# Altium PCB BG_Pcb.PcbDoc
Units mm, origin at the board's own origin, x right, y up, seen from the top; angles counter-clockwise.
Board outline 46.69 x 58.22 mm, 2 copper layers (Top Layer, Bottom Layer); 23 components, 40 nets, 117 pads, 0 vias.
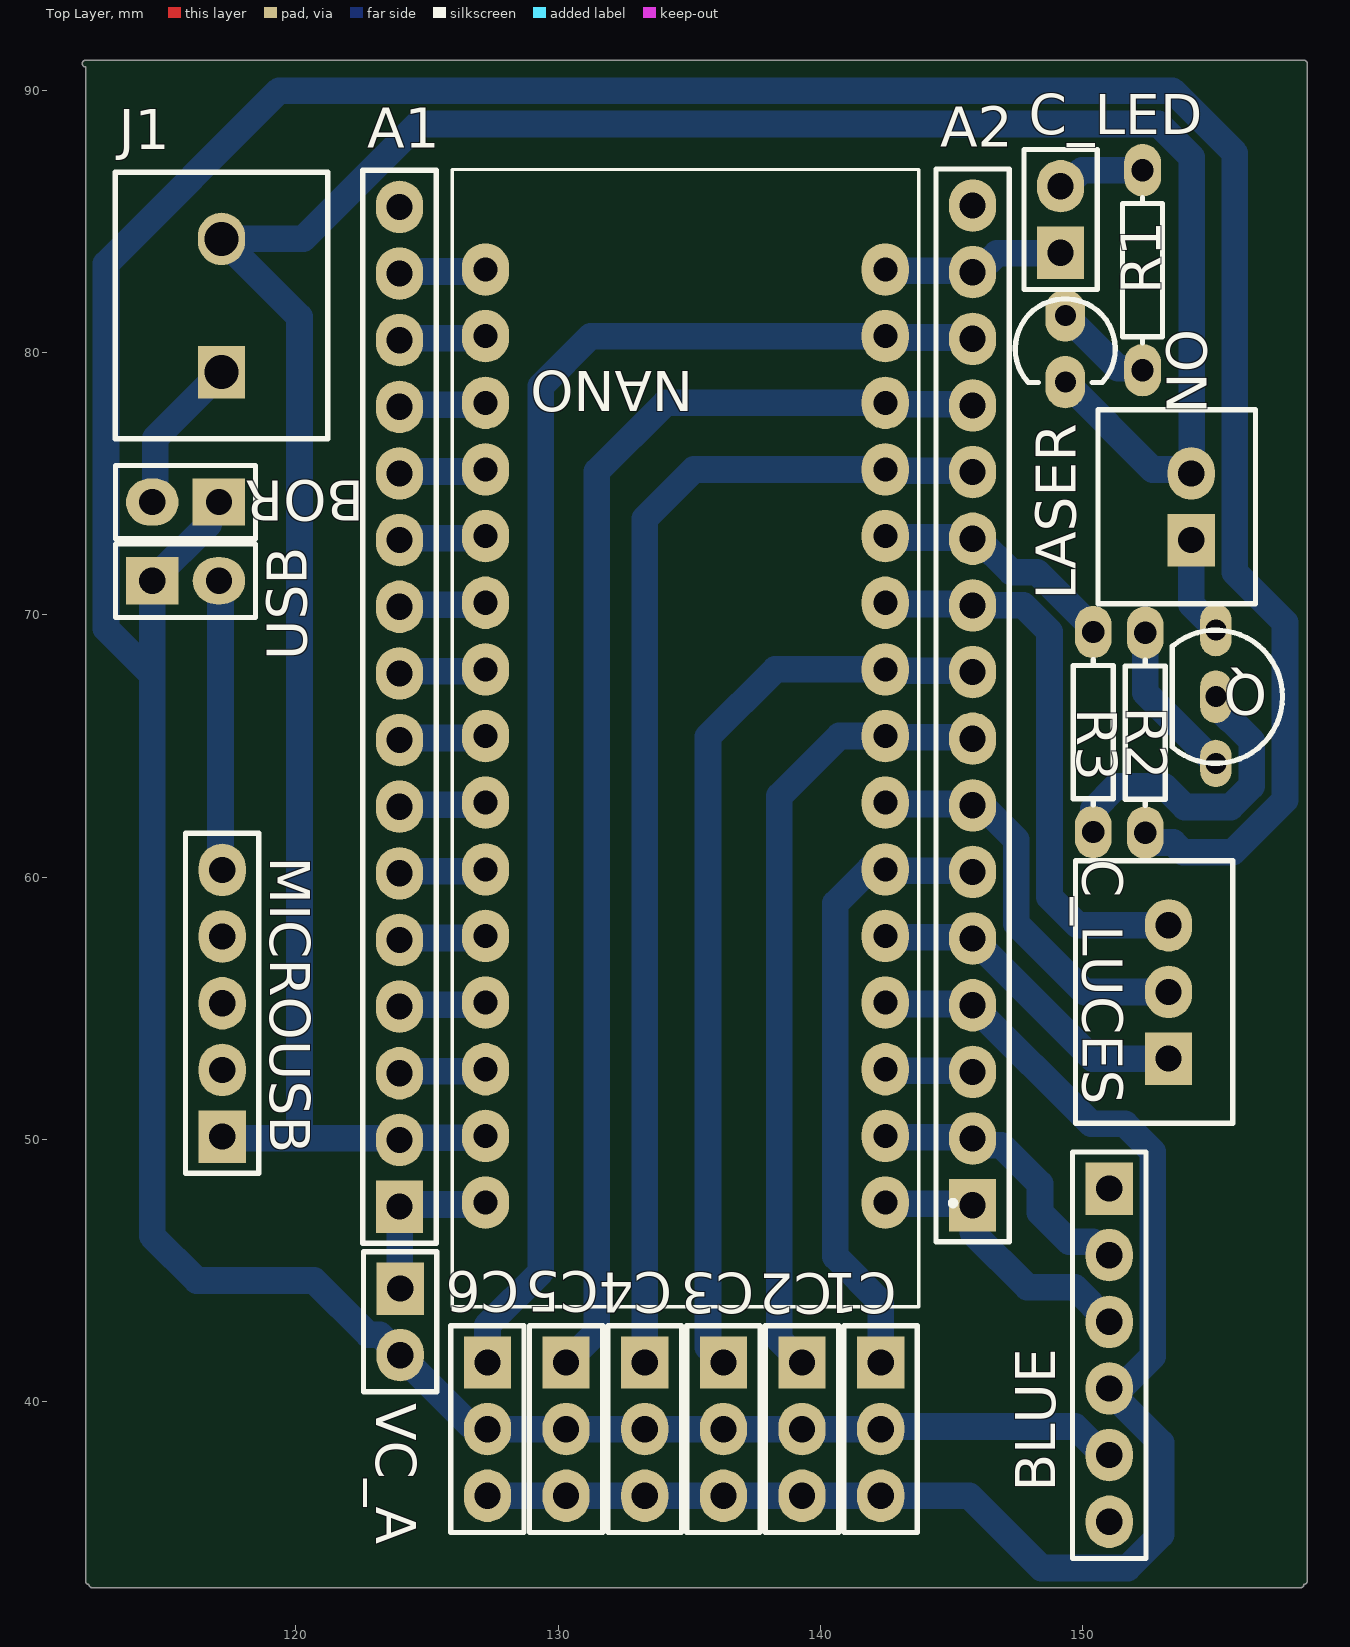
[diagram p0: Top Layer view]
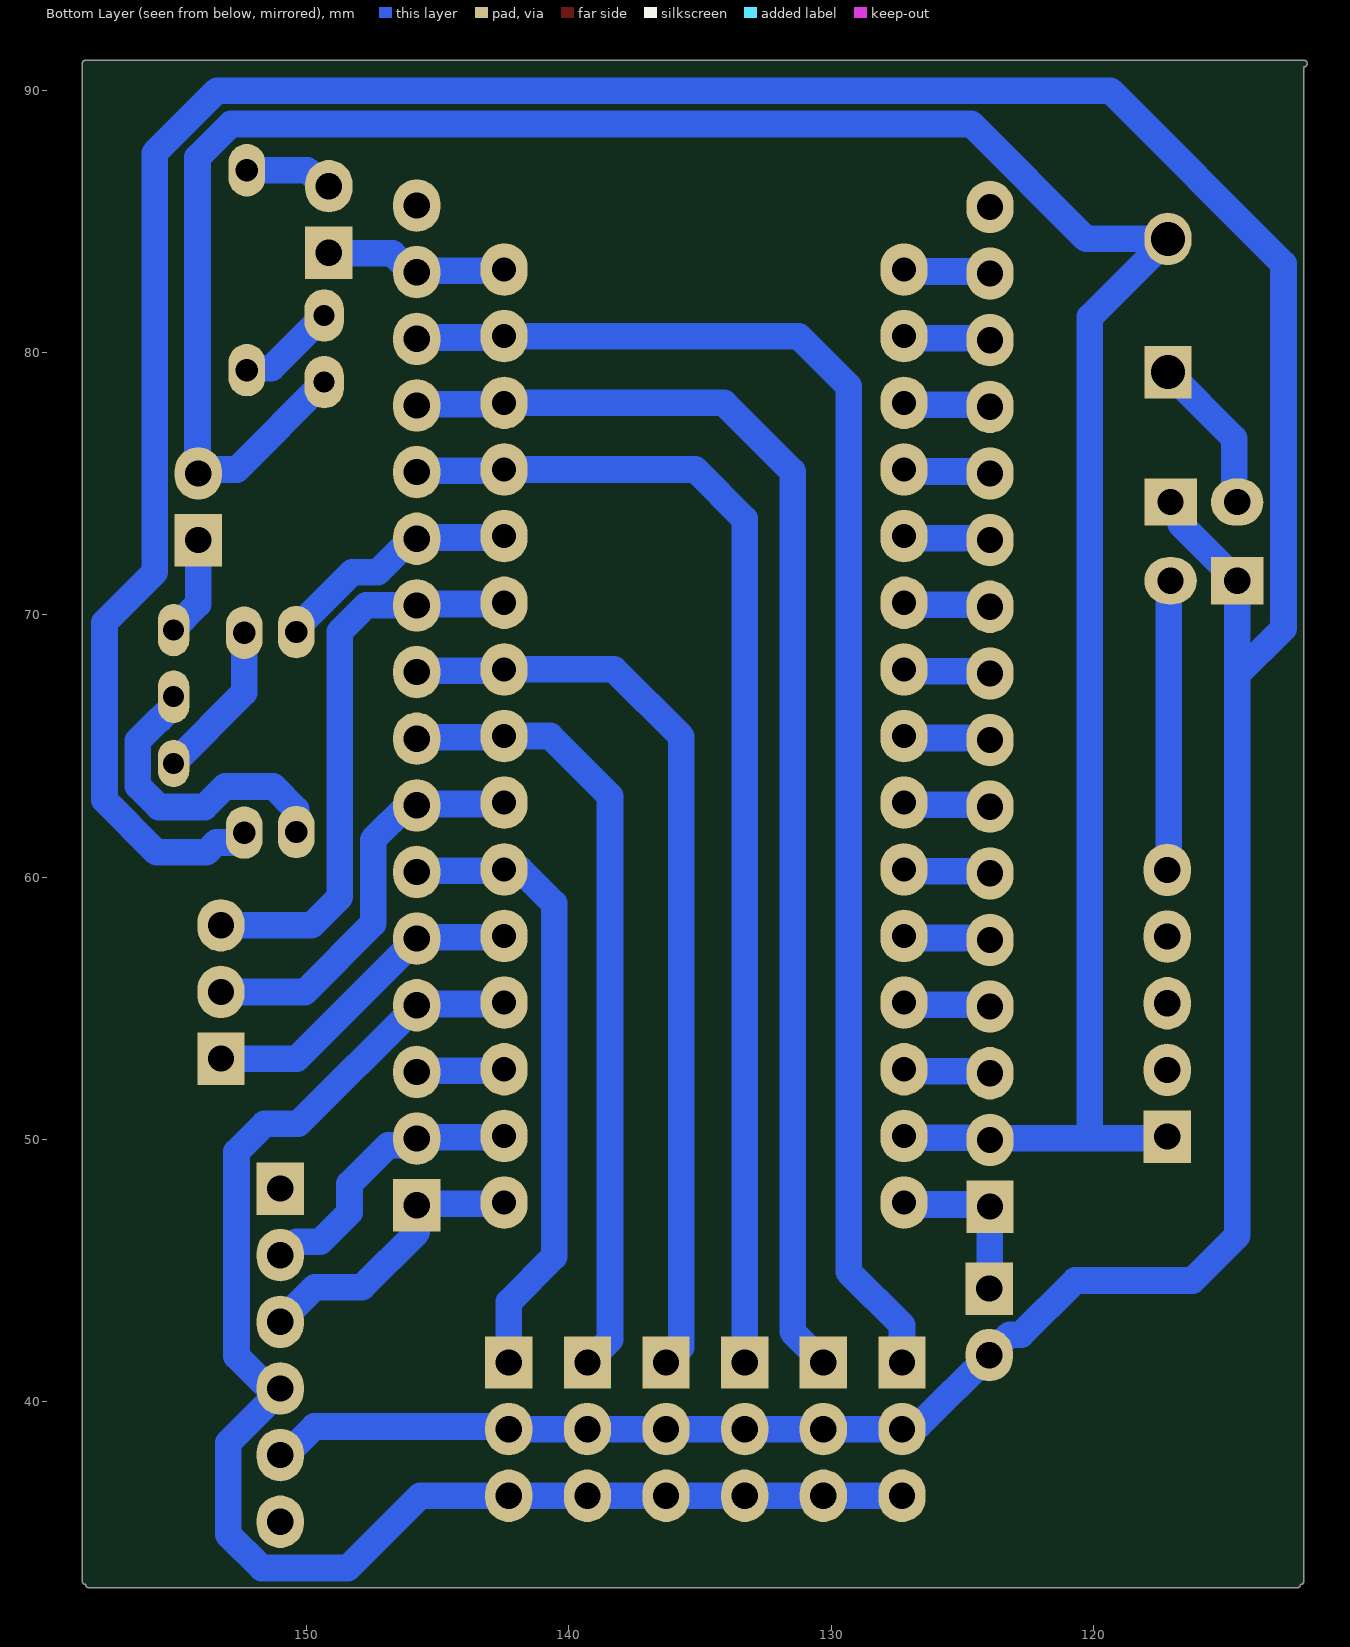
[diagram p1: Bottom Layer view, seen from below]

## Layer stack, top to bottom
Top Solder: solder mask 0.0102, Solder Resist, Dk 3.5
Top Layer: signal copper 0.0356
Dielectric 1: dielectric 0.32, FR-4, Dk 4.8
Bottom Layer: signal copper 0.0356
Bottom Solder: solder mask 0.0102, Solder Resist, Dk 3.5

## Board outline
111.988,33.172 ccw(c112.116,33.172) 112.115,33.045 ccw(c112.243,33.045) 112.243,32.918 158.293,32.918 ccw(c158.293,33.045) 158.42,33.045 ccw(c158.42,33.172) 158.547,33.172 158.547,91.008 ccw(c158.42,91.008) 158.42,91.136 111.989,91.136 ccw(c111.989,91.008) 111.988,90.881

## Design rules (kind name [scope] priority, off if disabled: settings)
Clearance [All] p1: gap=0.254 ignorepadtopadclearanceinfootprint=FALSE except(0: Arc-Hole Track-Hole SMDPad-Hole THPad-Hole Via-Hole Fill-Hole Poly-Hole Region-Hole Text-Hole)
DiffPairsRouting [All] p1: maxlimit=0.5 minlimit=0.3 mostfreqgap=0.3 toplayer_minwidth=0.381 toplayer_maxwidth=0.381 toplayer_prefwidth=0.381 bottomlayer_minwidth=0.381 bottomlayer_maxwidth=0.381 bottomlayer_prefwidth=0.381 maxuncoupledlength=12.7
PolygonConnect [All] p1: connectstyle=Relief reliefconductorwidth=0.254 reliefentries=4 polygonreliefangle="90 Angle" airgapwidth=0.254
RoutingVias [All] p1: holewidth=0.711 width=1.27 viastyle="Through Hole" minholewidth=0.711 minwidth=1.27 maxholewidth=0.711 maxwidth=1.27
SolderMaskExpansion [All] p1: expansion=0.102
Width [All] p1: maxlimit=1.27 minlimit=0.508 preferedwidth=1.016
29 further rules are at their usual default settings.

## Components (designator, comment, footprint, x,y, rotation, side; value= is the part's Value field where it differs from the comment)
A1 "Connector" "1x16x2.54 Pin Header TH V" 123.952,47.447 r90 top
A2 "Connector" "1x16x2.54 Pin Header TH V" 145.796,47.498 r90 top
BLUE "Connector" "1x6x2.54 Pin Header TH V" 151.003,41.783 r270 top
BOR "Connector" "1x2x2.54 Pin Header TH V" 115.799,74.295 r180 top
C1 "PWM1" "1x3x2.54 Pin Header TH V" 142.291,38.964 r270 top
C2 "PWM2" "1x3x2.54 Pin Header TH V" 139.294,38.964 r270 top
C3 "PWM3" "1x3x2.54 Pin Header TH V" 136.296,38.964 r270 top
C4 "PWM4" "1x3x2.54 Pin Header TH V" 133.299,38.964 r270 top
C5 "PWM5" "1x3x2.54 Pin Header TH V" 130.302,38.964 r270 top
C6 "PWM6" "1x3x2.54 Pin Header TH V" 127.305,38.964 r270 top
C_LED "Connector" "1x2x2.54 Pin Header TH V" 149.149,85.065 r90 top
C_LUCES "Connector" "1x3x2.54 Pin Header TH V" 153.264,55.626 r90 top
J1 "1729128" PHOE-1729128-2_V 117.17,81.788 r90 top
LASER "Connector" "1x2x2.54 Pin Header TH V" 154.127,74.117 r90 top
MICROUSB "Connector" "1x5x2.54 Pin Header TH V" 117.196,55.194 r90 top
NANO "ARDUINO_NANO" *SHIELD_ARDUINO_NANO 134.849,65.38 r180 top
ON "LED" "LED Red 3mm TH V" 149.327,80.137 r270 top
Q "1N3904" TO92-2.54 155.067,66.878 r270 top
R1 "Res1" AXIAL-0.3 152.273,83.134 r270 top value=1K
R2 "Res1" AXIAL-0.3 152.375,65.507 r270 top value=1K
R3 "Res1" AXIAL-0.3 150.393,65.532 r270 top value=1K
USB "Connector" "1x2x2.54 Pin Header TH V" 115.799,71.298 r0 top
VC_A "Connector" "1x2x2.54 Pin Header TH V" 123.977,43.053 r270 top

## Footprints (in the part's own frame and the unit in brackets; to place one, negate y for a bottom-side part, rotate by r counter-clockwise, add the part's x,y. Pads: shape width x height; smd on the part's side, far side on the other; paste and mask are expansions set on the pad)
"1x2x2.54 Pin Header TH V" [mm] "1x2x2.54 Pin Header TH V"
  rect 2x1.8 hole 1: 1(-1.27,0)
  oval 2x1.8 hole 1: 2(1.27,0)
  silkscreen extent -2.67,-1.4 2.67,1.4, body extent -2.54,-1.27 2.54,1.27, height 8.55
"1x3x2.54 Pin Header TH V" [mm] "1x3x2.54 Pin Header TH V"
  rect 2x1.8 hole 1: 1(-2.54,0)
  oval 2x1.8 hole 1: 2(0,0) 3(2.54,0)
  silkscreen extent -3.94,-1.4 3.94,1.4, body extent -3.81,-1.27 3.81,1.27, height 8.55
"1x5x2.54 Pin Header TH V" [mm] "1x5x2.54 Pin Header TH V"
  rect 2x1.8 hole 1: 1(-5.08,0)
  oval 2x1.8 hole 1: 2(-2.54,0) 3(0,0) 4(2.54,0) 5(5.08,0)
  silkscreen extent -6.48,-1.4 6.48,1.4, body extent -6.35,-1.27 6.35,1.27, height 8.55
"1x6x2.54 Pin Header TH V" [mm] "1x6x2.54 Pin Header TH V"
  rect 2x1.8 hole 1: 1(-6.35,0)
  oval 2x1.8 hole 1: 2(-3.81,0) 3(-1.27,0) 4(1.27,0) 5(3.81,0) 6(6.35,0)
  silkscreen extent -7.75,-1.4 7.75,1.4, body extent -7.62,-1.27 7.62,1.27, height 8.55
"1x16x2.54 Pin Header TH V" [mm] "1x16x2.54 Pin Header TH V"
  rect 2x1.8 hole 1: 1(0,0)
  oval 2x1.8 hole 1: 2(2.54,0) 3(5.08,0) 4(7.62,0) 5(10.16,0) 6(12.7,0) 7(15.24,0) 8(17.78,0) 9(20.32,0) 10(22.86,0) 11(25.4,0) 12(27.94,0) 13(30.48,0) 14(33.02,0) 15(35.56,0) 16(38.1,0)
  silkscreen extent -1.4,-1.4 39.5,1.4, body extent -1.27,-1.27 39.37,1.27, height 8.55
*SHIELD_ARDUINO_NANO [mm]
  oval 1.8x2 hole 0.918: 1(-7.62,17.78) 2(-7.62,15.24) 3(-7.62,12.7) 4(-7.62,10.16) 5(-7.62,7.62) 6(-7.62,5.08) 7(-7.62,2.54) 8(-7.62,0) 9(-7.62,-2.54) 10(-7.62,-5.08) 11(-7.62,-7.62) 12(-7.62,-10.16) 13(-7.62,-12.7) 14(-7.62,-15.24) 15(-7.62,-17.78) 16(7.62,-17.78) 17(7.62,-15.24) 18(7.62,-12.7) 19(7.62,-10.16) 20(7.62,-7.62) 21(7.62,-5.08) 22(7.62,-2.54) 23(7.62,0) 24(7.62,2.54) 25(7.62,5.08) 26(7.62,7.62) 27(7.62,10.16) 28(7.62,12.7) 29(7.62,15.24) 30(7.62,17.78)
  silkscreen extent -10.3,-21.59 8.89,21.75, body extent -32.26,-23.5 9,21.5, height 12.64
AXIAL-0.3 [mm] "Axial Device, Thru-Hole; 2 Leads; 0.3 in Pin Spacing"
  oval 2x1.4 hole 0.85: 1(-3.81,0) 2(3.81,0)
  silkscreen extent -2.77,-0.76 2.77,0.76
"LED Red 3mm TH V" [mm] "LED Red 3mm TH V"
  oval 2x1.5 hole 0.8: 1(1.27,0) 2(-1.27,0)
  silkscreen extent -1.9,-1.9 1.28,1.9, body extent -1.6,-1.6 1.5,1.6, height 6.6
PHOE-1729128-2_V [mm] "Receptacle, 2-Leads, Body 8.1x10.16mm, Pitch 5.08mm"
  rect 2x1.8 hole 1.3: 1(-2.54,0)
  oval 2x1.8 hole 1.3: 2(2.54,0)
  silkscreen extent -5.08,-4.05 5.08,4.05, body extent -5.65,-4.05 5.08,4.05, height 10.01
TO92-2.54 [mm] "TO92, 2.54 pitch"
  oval 2x1.2 hole 0.8: 1(-2.54,0) 2(0,0)
  oval 1.8x1.2 hole 0.8: 3(2.54,0)
  silkscreen extent -2.54,-1.66 2.54,2.54, body extent -2.62,-1.55 2.62,2.3, height 7.3

## Part data
A1 A2: library part "Header 1x16"
BLUE: library part "Header 1x6"
BOR C_LED LASER USB VC_A: library part "Header 1x2"
C1 C2 C3 C4 C5 C6 C_LUCES: library part "Header 1x3"
J1: library part CMP-2000-05815-1, "PCB Terminal Block, 13.5 A, 400 V, 2-Pin THD, RoHS, Bulk", Current Rating=13500mA, Manufacturer="Phoenix Contact", Package Description="2-Pin Through Hole Device, Body 8.1 x 10.16 mm, Pitch 5.08 mm", Package Reference=1729128-2, Package Version=03/2015, Voltage Rating=400V, Datasheet URL=https://datasheet.ciiva.com/16046/1729128-16046181.pdf, Datasheet Version=12/2013, Manufacturer URL=http://www.phoenixcontact.com/, Mounting Technology=ThroughHole, No. of Positions=2, No. of Rows=1, Orientation=Horizontal, Package URL=https://www.phoenixcontact.com/online/portal/pi/pxc/product_detail_page/!ut/p/b1/3VdJjqNKFDxLH8AFycySyWY2ozFsEPOMMQaDOX1XedGL_1Vdm5YXJleknhSKeBkvI6EA8ncAo3AYoDhBQGco6KN7VURTdemj9us_IEKEZo_YHiPAEWEFmDGOHMORkqKYCORBZxgL7ZoaZYcbFFUZ3fqxSY6GOuxydWUuHqz1ynmMFygu583Bob0Ewr6Sd_l-5m-kAueHiB0jpRwZwe58wwtkpxtMYd_LmGcDRU02dRNEyWt6Y2ti5pSyJ_reIkzIulrqApdnbT11V5jnCKbYNCvhEM1MCpPByat_X379-iThf08CI5GfOPqfBeS3BRoBOdD55AKVv0iLwCMq-2BrzXWSGRH7pUGD9uwXQjiph3xL0DKQwdGa0JImiIOmBNOestqgwTHSSs2oOep-78apyXQBvNi8ZLaFjvjWvcaUEBu0MC6Wbe-d6mB0FAebo2lUWinqYaZs5DAYzV0RP9yitUjnGJ0iI9xhZkT42OCQNUJJhkgWINNQLP2JFP6OpMg3JCVg70jqHT0lvKOnhHf0lPuOnnLf0VPuWx6_dxwUIvwk5WMkT0kLL1mh61l2yZVSzG3pYV_bqo-mj6uMKwKwdnnW8Jh5RTOJzMOA5c-eJDaZQw4mTMPH02PvS_ZAqNVjVTo2WyYLkwH_KU1mmmG5kjRhDqPXLwwVHvVOjCM60-fpXvTDfMGW1PVFVS1r4e4yVDk4ZdNbkUHvqPqQSeian4UD39fNKmachqdJ1NJbyk8rXT9mXTvPk3oE5meulKGgiruPJek-4I9hTT6G8ZLOyRSm2RRVbThERQad5OS28hdt4YW4vG0stgYYzsWsK4_7y6DZMjJSCqri1kyiZR5vD7pwIrNR7QwPHTcLTI5qT7eRlpHrdGiupYlqQDJ7zy_CND8fWWBoLRXxk1RVcXiBQwbTD4Xi7KL-FuO94t9xaqweXzH, Packing=Bulk, PartNumber=1729128, Pitch=5.08mm, RoHS=TRUE
MICROUSB: library part "Header 1x5"
NANO: "ATmega328 Arduino Nano AVR® ATmega AVR MCU 8-Bit Embedded Evaluation Board", Package=None, Availability=Unavailable, MF=Arduino, MP="ARDUINO NANO", Price=None, SnapEDA_Link=https://www.snapeda.com/parts/ARDUINO%20NANO/Arduino/view-part/1128261/?ref=snap
ON: library part "LED Red", "LED Red"
Q: "1N3904 NPN Transistor"
R1 R2 R3: "Resistor", LatestRevisionDate=17-Jul-2002, LatestRevisionNote="Re-released for DXP Platform.", PackageDescription="Axial Device, Thru-Hole; 2 Leads; 0.3 in Pin Spacing", PackageReference=AXIAL-0.3, Published=8-Jun-2000, Publisher="Altium Limited"

## Nets (pads, with @x,y where several pads share a name; then routed paths per layer and width w, separated by ;. In a path a pad name is that pad's centre, name@x,y a point inside that pad or via, vN(x,y) a via of type N, cw(c..) or ccw(c..) an arc to the next point about the centre after c; other vN are vias at no path point)
BORNERA5: BOR.2 J1.1 | length 6
  Bottom Layer w1.016: BOR.2 114.641,74.408 114.641,76.719 J1.1
en: BLUE.6
GND: A1.2 J1.2 LASER.2 MICROUSB.1 NANO.29 ON.1 | length 103.7
  Bottom Layer w1.016: MICROUSB.1@117.41,50.328 MICROUSB.1 117.259,50.051 120.142,50.051 ; NANO.29 127.152,50.063 124.028,50.063 A1.2 123.888,50.051 120.142,50.051 ; ON.1@149.458,78.867 ON.1 152.656,75.537 153.977,75.537 LASER.2 154.153,75.413 154.153,87.432 152.879,88.706 124.661,88.706 120.282,84.328 J1.2 120.142,81.356 120.142,50.051
GND1: A2.4 BLUE.4 C1.3 C2.3 C3.3 C4.3 C5.3 C6.3 NANO.4 | length 56.2
  Bottom Layer w1.016: C6.3 C5.3 C4.3 C3.3 C2.3 C1.3 145.671,36.424 148.423,33.671 151.705,33.671 152.984,34.95 152.984,38.442 151.003,40.423 BLUE.4 151.435,40.513 152.665,41.743 152.665,49.533 151.602,50.597 150.317,50.597 A2.4 145.745,55.169 142.519,55.169 NANO.4
L1: A2.10 C_LUCES.3 NANO.10 | length 21.8
  Bottom Layer w1.016: NANO.10 142.519,70.409 145.745,70.409 A2.10 147.726,70.358 148.728,69.356 148.728,59.247 149.809,58.166 C_LUCES.3
L2: A2.7 C_LUCES.2 NANO.7 | length 15.9
  Bottom Layer w1.016: NANO.7 142.519,62.789 145.745,62.789 A2.7 146.152,62.738 147.458,61.432 147.458,58.231 150.063,55.626 C_LUCES.2 C_LUCES.2@153.114,55.776
L3: A2.5 C_LUCES.1 NANO.5 | length 12.7
  Bottom Layer w1.016: NANO.5 142.519,57.709 145.745,57.709 A2.5 150.368,53.086 C_LUCES.1
NetC_LED_2: C_LED.2 R1.1 | length 3.6
  Bottom Layer w1.016: C_LED.2@149.276,86.208 C_LED.2 149.361,86.335 149.971,86.944 R1.1
NetLASER_1: LASER.1 Q.1 | length 3.9
  Bottom Layer w1.016: LASER.1 154.127,70.408 155.067,69.468 Q.1 Q.1@155.032,69.453
NetON_2: ON.2 R1.2 | length 3.8
  Bottom Layer w1.016: ON.2 151.336,79.398 152.2,79.398 R1.2
NetQ_2: Q.2 R3.2 | length 11.9
  Bottom Layer w1.016: R3.2 150.393,62.586 151.266,63.459 153.102,63.459 153.884,62.676 155.631,62.676 156.429,63.474 156.429,65.202 155.631,66 155.595,66 155.067,66.528 Q.2
NetQ_3: Q.3 R2.1 | length 6.1
  Bottom Layer w1.016: R2.1 152.375,67.031 Q.3
P1: A2.15 C_LED.1 NANO.15 | length 7
  Bottom Layer w1.016: NANO.15 142.519,83.109 145.745,83.109 A2.15 146.008,83.058 146.725,83.775 149.129,83.775 C_LED.1
P1_1: A1.1 NANO.30 VC_A.1 | length 6.5
  Bottom Layer w1.016: VC_A.1 123.965,44.336 123.965,47.434 A1.1 124.028,47.523 127.152,47.523 NANO.30
P2: A2.14 C6.1 NANO.14 | length 55.3
  Bottom Layer w1.016: C6.1 127.305,42.926 129.337,44.958 129.337,78.715 131.242,80.62 NANO.14 142.519,80.569 145.745,80.569 A2.14
P2_1: A1.3 NANO.28 | length 3.3
  Bottom Layer w1.016: A1.3 124.028,52.603 127.152,52.603 NANO.28
P3: A2.13 C5.1 NANO.13 | length 49.9
  Bottom Layer w1.016: C5.1 131.47,42.672 131.47,75.463 134.087,78.08 NANO.13 142.519,78.029 145.745,78.029 A2.13
P3_1: A1.4 NANO.27 | length 3.3
  Bottom Layer w1.016: A1.4 124.028,55.143 127.152,55.143 NANO.27
P4: A2.12 C4.1 NANO.12 | length 45.5
  Bottom Layer w1.016: C4.1 133.299,73.66 135.179,75.54 NANO.12 142.519,75.489 145.745,75.489 A2.12
P4_1: A1.5 NANO.26 | length 3.3
  Bottom Layer w1.016: A1.5 124.028,57.683 127.152,57.683 NANO.26
P5: A2.11 NANO.11 R3.1 | length 9.6
  Bottom Layer w1.016: NANO.11 142.519,72.949 145.745,72.949 A2.11 146.008,72.898 147.278,71.628 148.252,71.628 150.32,69.561 150.32,69.415 R3.1 R3.1@150.467,69.415
P5_1: A1.6 NANO.25 | length 3.3
  Bottom Layer w1.016: A1.6 124.028,60.223 127.152,60.223 NANO.25
P6_1: A1.7 NANO.24 | length 3.3
  Bottom Layer w1.016: A1.7 124.028,62.763 127.152,62.763 NANO.24
P7: A2.9 C3.1 NANO.9 | length 35.8
  Bottom Layer w1.016: C3.1@136.638,41.845 C3.1 135.712,42.088 135.712,65.354 138.278,67.92 NANO.9 142.519,67.869 145.745,67.869 A2.9
P7_1: A1.8 NANO.23 | length 3.3
  Bottom Layer w1.016: A1.8 124.028,65.303 127.152,65.303 NANO.23
P8: A2.8 C2.1 NANO.8 | length 30.3
  Bottom Layer w1.016: C2.1 138.43,42.367 138.43,63.094 140.716,65.38 NANO.8 142.519,65.329 145.745,65.329 A2.8
P8_1: A1.9 NANO.22 | length 3.3
  Bottom Layer w1.016: A1.9 124.028,67.843 127.152,67.843 NANO.22
P9_1: A1.10 NANO.21 | length 3.3
  Bottom Layer w1.016: A1.10 124.028,70.383 127.152,70.383 NANO.21
P10: A2.6 C1.1 NANO.6 | length 24
  Bottom Layer w1.016: C1.1 142.291,43.815 140.564,45.542 140.564,59.004 141.859,60.3 NANO.6 142.519,60.249 145.745,60.249 A2.6
P10_1: A1.11 NANO.20 | length 3.3
  Bottom Layer w1.016: A1.11 124.028,72.923 127.152,72.923 NANO.20
P11_1: A1.12 NANO.19 | length 3.3
  Bottom Layer w1.016: A1.12 124.028,75.463 127.152,75.463 NANO.19
P12_1: A1.13 NANO.18 | length 3.3
  Bottom Layer w1.016: A1.13 124.028,78.003 127.152,78.003 NANO.18
P13: A2.3 NANO.3 | length 3.4
  Bottom Layer w1.016: NANO.3 142.519,52.629 145.745,52.629 A2.3
P13_1: A1.14 NANO.17 | length 3.3
  Bottom Layer w1.016: A1.14 124.028,80.543 127.152,80.543 NANO.17
P14: A2.2 BLUE.2 NANO.2 | length 11.3
  Bottom Layer w1.016: NANO.2 142.519,50.089 145.745,50.089 A2.2 146.046,49.788 146.884,49.788 148.361,48.311 148.361,47.219 149.479,46.101 150.383,46.101 150.891,45.593 BLUE.2 BLUE.2@150.853,45.743
P14_1: A1.15 NANO.16 | length 3.3
  Bottom Layer w1.016: A1.15 124.028,83.083 127.152,83.083 NANO.16
P15: A2.1 BLUE.3 NANO.1 | length 11
  Bottom Layer w1.016: NANO.1 142.519,47.549 145.745,47.549 A2.1 145.796,46.462 147.884,44.374 149.682,44.374 BLUE.3
POT5: BLUE.5 BOR.1 C1.2 C2.2 C3.2 C4.2 C5.2 C6.2 R2.2 USB.1 VC_A.2 | length 164.2
  Bottom Layer w1.016: BOR.1 116.677,73.903 116.677,73.446 USB.1 114.529,67.716 ; BLUE.5 150.791,37.973 149.699,39.065 142.392,39.065 C1.2 C2.2 C3.2 C4.2 C5.2 C6.2 127.155,39.114 126.647,39.114 VC_A.2 123.199,42.561 122.762,42.561 120.695,44.628 116.23,44.628 114.529,46.33 114.529,67.716 ; R2.2 152.375,61.501 152.552,61.323 153.441,61.323 153.815,60.949 155.709,60.949 157.699,62.939 157.699,69.707 155.789,71.617 155.789,87.592 153.405,89.976 119.364,89.976 112.767,83.379 112.767,69.478 114.529,67.716
state: BLUE.1
USB5: MICROUSB.5 USB.2 | length 11.1
  Bottom Layer w1.016: USB.2 117.132,71.234 117.132,60.338 MICROUSB.5
pads on no net: A1.16 A2.16 MICROUSB.2 MICROUSB.3 MICROUSB.4

## Polygon pours and split planes (outlines as drawn)
no net on Bottom Layer "GND" (solid, pour order 24): 112.166,90.932
no net on Bottom Layer "GND" (solid, pour order 2): 112.37,90.627